# Altium PCB controller_V1.3.1.PcbDoc (part 3 of 7) (continued)
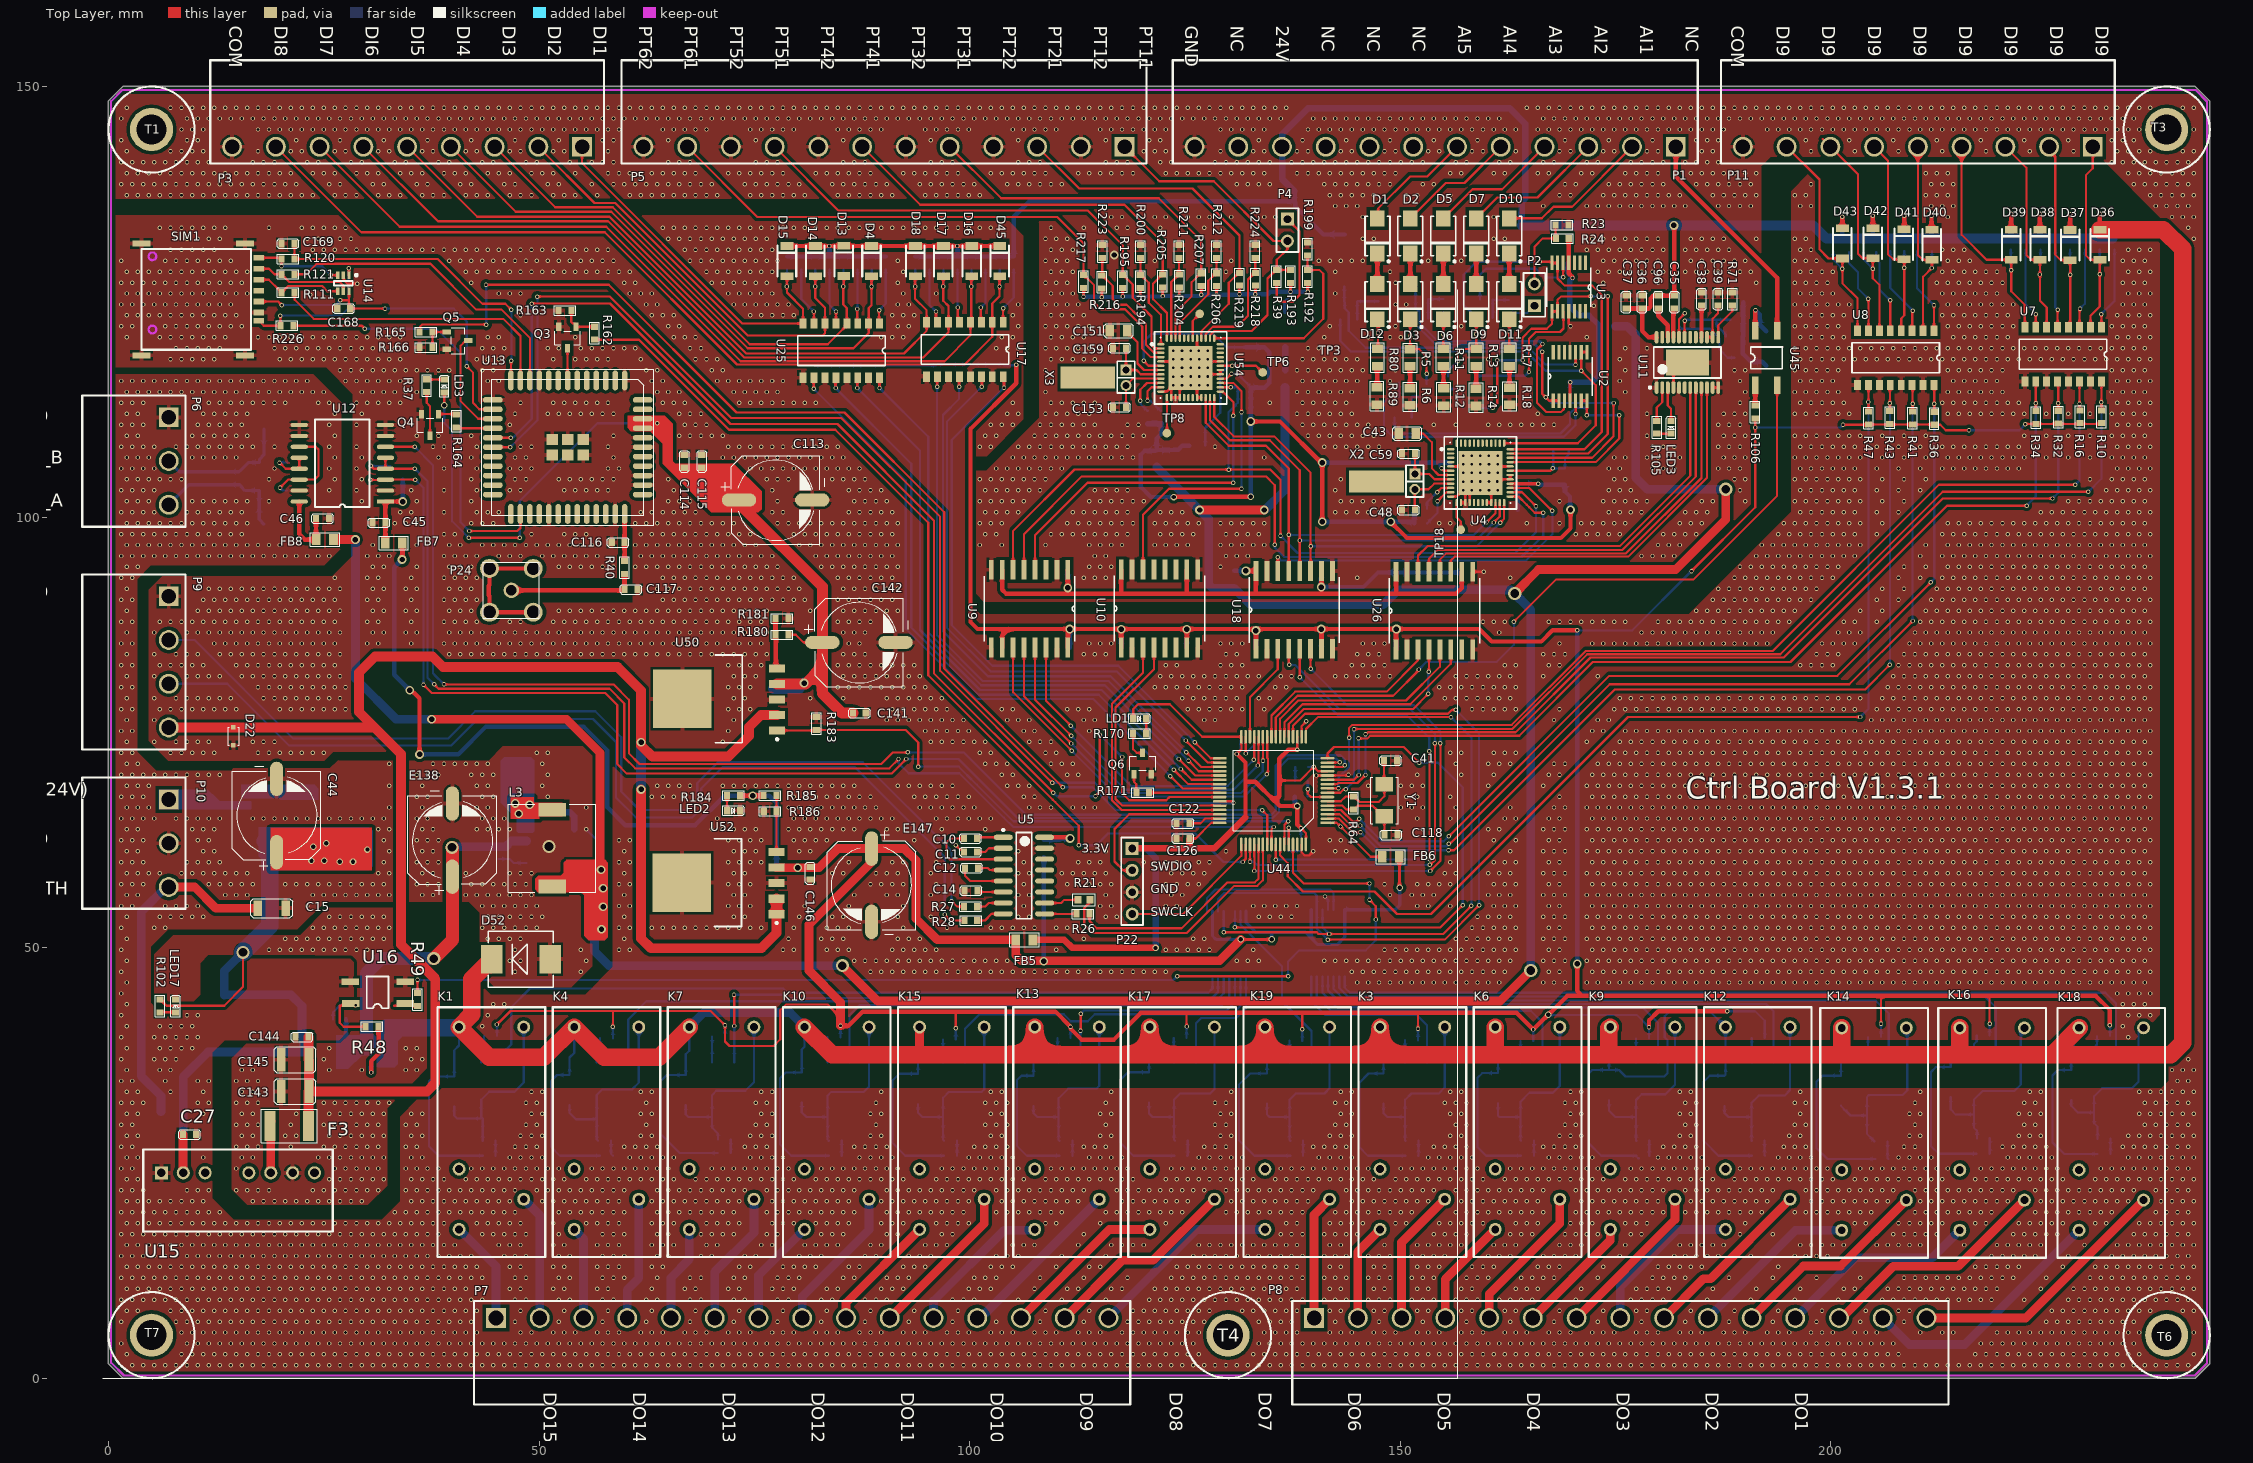
[diagram p0: Top Layer view]
## Nets (pads, with @x,y where several pads share a name; then routed paths per layer and width w, separated by ;. In a path a pad name is that pad's centre, name@x,y a point inside that pad or via, vN(x,y) a via of type N, cw(c..) or ccw(c..) an arc to the next point about the centre after c; other vN are vias at no path point) (continued)
36.417,15.469 37.687,15.469 38.957,15.469 40.227,15.469 45.307,15.469 46.577,15.469 47.847,15.469 51.657,15.469 52.927,15.469 56.737,15.469 58.007,15.469 59.277,15.469 63.087,15.469 64.357,15.469 65.627,15.469 69.437,15.469 70.707,15.469 75.787,15.469 77.057,15.469 80.867,15.469 82.137,15.469 83.407,15.469 84.677,15.469 88.487,15.469 89.757,15.469 94.837,15.469 96.107,15.469 97.377,15.469 104.997,15.469 106.267,15.469 107.537,15.469 112.617,15.469 116.427,15.469 117.697,15.469 118.967,15.469 120.237,15.469 126.587,15.469 127.857,15.469 129.127,15.469 130.397,15.469 131.667,15.469 132.937,15.469 134.207,15.469 135.477,15.469 136.747,15.469 138.017,15.469 141.827,15.469 143.097,15.469 148.177,15.469 151.987,15.469 153.257,15.469 154.527,15.469 155.797,15.469 157.067,15.469 160.877,15.469 162.147,15.469 163.417,15.469 168.497,15.469 169.767,15.469 171.037,15.469 176.117,15.469 182.467,15.469 183.737,15.469 185.007,15.469 186.277,15.469 187.547,15.469 196.437,15.469 197.707,15.469 198.977,15.469 200.247,15.469 201.517,15.469 205.327,15.469 206.597,15.469 207.867,15.469 209.137,15.469 210.407,15.469 215.487,15.469 219.297,15.469 220.567,15.469 221.837,15.469 223.107,15.469 224.377,15.469 229.457,15.469 233.267,15.469 234.537,15.469 235.807,15.469 237.077,15.469 238.347,15.469 239.617,15.469 240.887,15.469 242.157,15.469 1.492,16.739 2.762,16.739 4.032,16.739 5.302,16.739 6.572,16.739 7.842,16.739 9.112,16.739 10.382,16.739 11.652,16.739 12.922,16.739 14.192,16.739 15.462,16.739 16.732,16.739 18.002,16.739 19.272,16.739 20.542,16.739 21.812,16.739 23.082,16.739 24.352,16.739 25.622,16.739 26.892,16.739 28.162,16.739 29.432,16.739 30.702,16.739 31.972,16.739 33.242,16.739 34.512,16.739 35.782,16.739 37.052,16.739 38.322,16.739 43.402,16.739 44.672,16.739 45.942,16.739 47.212,16.739 48.482,16.739 52.292,16.739 57.372,16.739 58.642,16.739 59.912,16.739 63.722,16.739 64.992,16.739 68.802,16.739 70.072,16.739 71.342,16.739 72.612,16.739 76.422,16.739 77.692,16.739 82.772,16.739 84.042,16.739 85.312,16.739 90.392,16.739 91.662,16.739 96.742,16.739 98.012,16.739 113.252,16.739 136.112,16.739 137.382,16.739 138.652,16.739 141.192,16.739 142.462,16.739 143.732,16.739 145.002,16.739 153.892,16.739 155.162,16.739 156.432,16.739 157.702,16.739 162.782,16.739 164.052,16.739 165.322,16.739 169.132,16.739 170.402,16.739 171.672,16.739 172.942,16.739 176.752,16.739 178.022,16.739 189.452,16.739 193.262,16.739 207.232,16.739 208.502,16.739 209.772,16.739 211.042,16.739 212.312,16.739 221.202,16.739 222.472,16.739 223.742,16.739 225.012,16.739 226.282,16.739 235.172,16.739 236.442,16.739 237.712,16.739 238.982,16.739 240.252,16.739 241.522,16.739 2.127,18.009 3.397,18.009 4.667,18.009 5.937,18.009 7.207,18.009 8.477,18.009 9.747,18.009 11.017,18.009 12.287,18.009 13.557,18.009 14.827,18.009 16.097,18.009 17.367,18.009 18.637,18.009 19.907,18.009 21.177,18.009 22.447,18.009 23.717,18.009 24.987,18.009 26.257,18.009 27.527,18.009 28.797,18.009 30.067,18.009 31.337,18.009 32.607,18.009 33.877,18.009 35.147,18.009 36.417,18.009 37.687,18.009 38.957,18.009 42.767,18.009 44.037,18.009 45.307,18.009 46.577,18.009 47.847,18.009 51.657,18.009 55.467,18.009 56.737,18.009 58.007,18.009 59.277,18.009 63.087,18.009 64.357,18.009 65.627,18.009 69.437,18.009 70.707,18.009 71.977,18.009 73.247,18.009 77.057,18.009 78.327,18.009 79.597,18.009 82.137,18.009 83.407,18.009 84.677,18.009 85.947,18.009 89.757,18.009 91.027,18.009 92.297,18.009 96.107,18.009 97.377,18.009 98.647,18.009 99.917,18.009 108.807,18.009 110.077,18.009 115.157,18.009 122.777,18.009 136.747,18.009 138.017,18.009 141.827,18.009 143.097,18.009 144.367,18.009 145.637,18.009 149.447,18.009 150.717,18.009 154.527,18.009 155.797,18.009 157.067,18.009 158.337,18.009 159.607,18.009 163.417,18.009 164.687,18.009 165.957,18.009 169.767,18.009 171.037,18.009 172.307,18.009 176.117,18.009 177.387,18.009 178.657,18.009 190.087,18.009 202.787,18.009 204.057,18.009 207.867,18.009 209.137,18.009 210.407,18.009 211.677,18.009 212.947,18.009 216.757,18.009 218.027,18.009 221.837,18.009 223.107,18.009 224.377,18.009 225.647,18.009 226.917,18.009 230.727,18.009 231.997,18.009 235.807,18.009 237.077,18.009 238.347,18.009 239.617,18.009 240.887,18.009 242.157,18.009 1.492,19.279 2.762,19.279 4.032,19.279 5.302,19.279 6.572,19.279 7.842,19.279 9.112,19.279 10.382,19.279 11.652,19.279 12.922,19.279 33.242,19.279 34.512,19.279 35.782,19.279 37.052,19.279 38.322,19.279 39.592,19.279 40.862,19.279 42.132,19.279 43.402,19.279 44.672,19.279 45.942,19.279 47.212,19.279 52.292,19.279 53.562,19.279 54.832,19.279 56.102,19.279 57.372,19.279 58.642,19.279 59.912,19.279 63.722,19.279 64.992,19.279 66.262,19.279 67.532,19.279 68.802,19.279 70.072,19.279 71.342,19.279 72.612,19.279 76.422,19.279 77.692,19.279 78.962,19.279 80.232,19.279 81.502,19.279 82.772,19.279 84.042,19.279 85.312,19.279 86.582,19.279 90.392,19.279 91.662,19.279 92.932,19.279 94.202,19.279 95.472,19.279 96.742,19.279 98.012,19.279 99.282,19.279 103.092,19.279 104.362,19.279 105.632,19.279 106.902,19.279 108.172,19.279 109.442,19.279 110.712,19.279 115.792,19.279 117.062,19.279 118.332,19.279 119.602,19.279 120.872,19.279 122.142,19.279 123.412,19.279 124.682,19.279 129.762,19.279 131.032,19.279 132.302,19.279 133.572,19.279 134.842,19.279 136.112,19.279 137.382,19.279 138.652,19.279 142.462,19.279 143.732,19.279 145.002,19.279 146.272,19.279 147.542,19.279 148.812,19.279 150.082,19.279 151.352,19.279 156.432,19.279 157.702,19.279 158.972,19.279 160.242,19.279 161.512,19.279 162.782,19.279 164.052,19.279 165.322,19.279 166.592,19.279 170.402,19.279 171.672,19.279 172.942,19.279 174.212,19.279 175.482,19.279 176.752,19.279 178.022,19.279 179.292,19.279 180.562,19.279 183.102,19.279 184.372,19.279 185.642,19.279 186.912,19.279 188.182,19.279 189.452,19.279 190.722,19.279 191.992,19.279 195.802,19.279 197.072,19.279 198.342,19.279 199.612,19.279 200.882,19.279 202.152,19.279 203.422,19.279 204.692,19.279 209.772,19.279 211.042,19.279 212.312,19.279 213.582,19.279 214.852,19.279 216.122,19.279 217.392,19.279 218.662,19.279 223.742,19.279 225.012,19.279 226.282,19.279 227.552,19.279 228.822,19.279 230.092,19.279 231.362,19.279 232.632,19.279 237.712,19.279 238.982,19.279 240.252,19.279 241.522,19.279 2.127,20.549 3.397,20.549 4.667,20.549 5.937,20.549 7.207,20.549 8.477,20.549 9.747,20.549 11.017,20.549 35.147,20.549 36.417,20.549 37.687,20.549 38.957,20.549 40.227,20.549 41.497,20.549 42.767,20.549 44.037,20.549 45.307,20.549 46.577,20.549 50.387,20.549 51.657,20.549 52.927,20.549 54.197,20.549 55.467,20.549 56.737,20.549 58.007,20.549 59.277,20.549 63.087,20.549 64.357,20.549 65.627,20.549 66.897,20.549 68.167,20.549 69.437,20.549 70.707,20.549 71.977,20.549 73.247,20.549 77.057,20.549 78.327,20.549 79.597,20.549 80.867,20.549 82.137,20.549 83.407,20.549 84.677,20.549 85.947,20.549 89.757,20.549 91.027,20.549 92.297,20.549 93.567,20.549 94.837,20.549 96.107,20.549 97.377,20.549 98.647,20.549 99.917,20.549 103.727,20.549 104.997,20.549 106.267,20.549 107.537,20.549 108.807,20.549 110.077,20.549 111.347,20.549 112.617,20.549 117.697,20.549 118.967,20.549 120.237,20.549 121.507,20.549 122.777,20.549 124.047,20.549 125.317,20.549 130.397,20.549 131.667,20.549 132.937,20.549 134.207,20.549 135.477,20.549 136.747,20.549 138.017,20.549 139.287,20.549 144.367,20.549 145.637,20.549 146.907,20.549 148.177,20.549 149.447,20.549 150.717,20.549 151.987,20.549 153.257,20.549 157.067,20.549 158.337,20.549 159.607,20.549 160.877,20.549 162.147,20.549 163.417,20.549 164.687,20.549 165.957,20.549 171.037,20.549 172.307,20.549 173.577,20.549 174.847,20.549 176.117,20.549 177.387,20.549 178.657,20.549 179.927,20.549 183.737,20.549 185.007,20.549 186.277,20.549 187.547,20.549 188.817,20.549 190.087,20.549 191.357,20.549 192.627,20.549 197.707,20.549 198.977,20.549 200.247,20.549 201.517,20.549 202.787,20.549 204.057,20.549 205.327,20.549 206.597,20.549 210.407,20.549 211.677,20.549 212.947,20.549 214.217,20.549 215.487,20.549 216.757,20.549 218.027,20.549 219.297,20.549 220.567,20.549 224.377,20.549 225.647,20.549 226.917,20.549 228.187,20.549 229.457,20.549 230.727,20.549 231.997,20.549 233.267,20.549 234.537,20.549 238.347,20.549 239.617,20.549 240.887,20.549 242.157,20.549 1.492,21.819 2.762,21.819 4.032,21.819 9.112,21.819 10.382,21.819 11.652,21.819 34.512,21.819 35.782,21.819 37.052,21.819 38.322,21.819 39.592,21.819 40.862,21.819 42.132,21.819 43.402,21.819 44.672,21.819 45.942,21.819 47.212,21.819 49.752,21.819 51.022,21.819 52.292,21.819 53.562,21.819 54.832,21.819 56.102,21.819 57.372,21.819 58.642,21.819 59.912,21.819 63.722,21.819 64.992,21.819 66.262,21.819 67.532,21.819 68.802,21.819 70.072,21.819 71.342,21.819 72.612,21.819 73.882,21.819 76.422,21.819 77.692,21.819 78.962,21.819 80.232,21.819 81.502,21.819 82.772,21.819 84.042,21.819 85.312,21.819 86.582,21.819 90.392,21.819 91.662,21.819 92.932,21.819 94.202,21.819 95.472,21.819 96.742,21.819 98.012,21.819 99.282,21.819 100.552,21.819 103.092,21.819 104.362,21.819 105.632,21.819 106.902,21.819 108.172,21.819 109.442,21.819 110.712,21.819 111.982,21.819 113.252,21.819 117.062,21.819 118.332,21.819 119.602,21.819 120.872,21.819 122.142,21.819 123.412,21.819 124.682,21.819 125.952,21.819 127.222,21.819 129.762,21.819 131.032,21.819 132.302,21.819 133.572,21.819 134.842,21.819 136.112,21.819 137.382,21.819 138.652,21.819 139.922,21.819 143.732,21.819 145.002,21.819 146.272,21.819 147.542,21.819 148.812,21.819 150.082,21.819 151.352,21.819 152.622,21.819 153.892,21.819 156.432,21.819 157.702,21.819 158.972,21.819 160.242,21.819 161.512,21.819 162.782,21.819 164.052,21.819 165.322,21.819 166.592,21.819 170.402,21.819 171.672,21.819 172.942,21.819 174.212,21.819 175.482,21.819 176.752,21.819 178.022,21.819 179.292,21.819 180.562,21.819 183.102,21.819 184.372,21.819 185.642,21.819 186.912,21.819 188.182,21.819 189.452,21.819 190.722,21.819 191.992,21.819 193.262,21.819 197.072,21.819 198.342,21.819 199.612,21.819 200.882,21.819 202.152,21.819 203.422,21.819 204.692,21.819 205.962,21.819 207.232,21.819 209.772,21.819 211.042,21.819 212.312,21.819 213.582,21.819 214.852,21.819 216.122,21.819 217.392,21.819 218.662,21.819 219.932,21.819 221.202,21.819 223.742,21.819 225.012,21.819 226.282,21.819 227.552,21.819 228.822,21.819 230.092,21.819 231.362,21.819 232.632,21.819 233.902,21.819 235.172,21.819 237.712,21.819 238.982,21.819 240.252,21.819 241.522,21.819 2.127,23.089 3.397,23.089 35.147,23.089 36.417,23.089 37.687,23.089 38.957,23.089 41.497,23.089 42.767,23.089 44.037,23.089 45.307,23.089 46.577,23.089 47.847,23.089 49.117,23.089 50.387,23.089 51.657,23.089 52.927,23.089 55.467,23.089 56.737,23.089 58.007,23.089 59.277,23.089 60.547,23.089 61.817,23.089 63.087,23.089 64.357,23.089 65.627,23.089 68.167,23.089 69.437,23.089 70.707,23.089 71.977,23.089 73.247,23.089 74.517,23.089 75.787,23.089 77.057,23.089 78.327,23.089 79.597,23.089 82.137,23.089 83.407,23.089 84.677,23.089 85.947,23.089 87.217,23.089 88.487,23.089 89.757,23.089 91.027,23.089 92.297,23.089 96.107,23.089 97.377,23.089 98.647,23.089 99.917,23.089 101.187,23.089 102.457,23.089 103.727,23.089 104.997,23.089 106.267,23.089 108.807,23.089 110.077,23.089 111.347,23.089 112.617,23.089 113.887,23.089 115.157,23.089 116.427,23.089 117.697,23.089 118.967,23.089 122.777,23.089 124.047,23.089 125.317,23.089 126.587,23.089 127.857,23.089 129.127,23.089 130.397,23.089 131.667,23.089 132.937,23.089 135.477,23.089 136.747,23.089 138.017,23.089 139.287,23.089 140.557,23.089 141.827,23.089 143.097,23.089 144.367,23.089 145.637,23.089 146.907,23.089 149.447,23.089 150.717,23.089 151.987,23.089 153.257,23.089 154.527,23.089 155.797,23.089 157.067,23.089 158.337,23.089 159.607,23.089 162.147,23.089 163.417,23.089 164.687,23.089 165.957,23.089 167.227,23.089 168.497,23.089 169.767,23.089 171.037,23.089 172.307,23.089 173.577,23.089 176.117,23.089 177.387,23.089 178.657,23.089 179.927,23.089 181.197,23.089 182.467,23.089 183.737,23.089 185.007,23.089 186.277,23.089 188.817,23.089 190.087,23.089 191.357,23.089 192.627,23.089 193.897,23.089 195.167,23.089 196.437,23.089 197.707,23.089 198.977,23.089 200.247,23.089 202.787,23.089 204.057,23.089 205.327,23.089 206.597,23.089 207.867,23.089 209.137,23.089 210.407,23.089 211.677,23.089 212.947,23.089 216.757,23.089 218.027,23.089 219.297,23.089 220.567,23.089 221.837,23.089 223.107,23.089 224.377,23.089 225.647,23.089 226.917,23.089 230.727,23.089 231.997,23.089 233.267,23.089 234.537,23.089 235.807,23.089 237.077,23.089 238.347,23.089 239.617,23.089 240.887,23.089 242.157,23.089 1.492,24.359 2.762,24.359 34.512,24.359 35.782,24.359 37.052,24.359 38.322,24.359 42.132,24.359 43.402,24.359 44.672,24.359 45.942,24.359 47.212,24.359 48.482,24.359 49.752,24.359 51.022,24.359 52.292,24.359 56.102,24.359 57.372,24.359 58.642,24.359 59.912,24.359 61.182,24.359 62.452,24.359 63.722,24.359 64.992,24.359 70.072,24.359 71.342,24.359 72.612,24.359 73.882,24.359 75.152,24.359 76.422,24.359 77.692,24.359 78.962,24.359 82.772,24.359 84.042,24.359 85.312,24.359 86.582,24.359 87.852,24.359 89.122,24.359 90.392,24.359 91.662,24.359 96.742,24.359 98.012,24.359 99.282,24.359 100.552,24.359 101.822,24.359 103.092,24.359 104.362,24.359 105.632,24.359 109.442,24.359 110.712,24.359 111.982,24.359 113.252,24.359 114.522,24.359 115.792,24.359 117.062,24.359 118.332,24.359 123.412,24.359 124.682,24.359 125.952,24.359 127.222,24.359 128.492,24.359 129.762,24.359 131.032,24.359 132.302,24.359 136.112,24.359 137.382,24.359 138.652,24.359 139.922,24.359 141.192,24.359 142.462,24.359 143.732,24.359 145.002,24.359 146.272,24.359 150.082,24.359 151.352,24.359 152.622,24.359 153.892,24.359 155.162,24.359 156.432,24.359 157.702,24.359 158.972,24.359 162.782,24.359 164.052,24.359 165.322,24.359 166.592,24.359 167.862,24.359 169.132,24.359 170.402,24.359 171.672,24.359 172.942,24.359 176.752,24.359 178.022,24.359 179.292,24.359 180.562,24.359 181.832,24.359 183.102,24.359 184.372,24.359 185.642,24.359 189.452,24.359 190.722,24.359 191.992,24.359 193.262,24.359 194.532,24.359 195.802,24.359 197.072,24.359 198.342,24.359 199.612,24.359 203.422,24.359 204.692,24.359 205.962,24.359 207.232,24.359 208.502,24.359 209.772,24.359 211.042,24.359 212.312,24.359 213.582,24.359 217.392,24.359 218.662,24.359 219.932,24.359 221.202,24.359 222.472,24.359 223.742,24.359 225.012,24.359 226.282,24.359 231.362,24.359 232.632,24.359 233.902,24.359 235.172,24.359 236.442,24.359 237.712,24.359 238.982,24.359 240.252,24.359 241.522,24.359 2.127,25.629 3.397,25.629 11.017,25.629 35.147,25.629 36.417,25.629 46.577,25.629 47.847,25.629 49.117,25.629 50.387,25.629 60.547,25.629 61.817,25.629 63.087,25.629 64.357,25.629 65.627,25.629 74.517,25.629 75.787,25.629 77.057,25.629 78.327,25.629 87.217,25.629 88.487,25.629 89.757,25.629 91.027,25.629 99.917,25.629 101.187,25.629 102.457,25.629 103.727,25.629 104.997,25.629 113.887,25.629 115.157,25.629 116.427,25.629 117.697,25.629 126.587,25.629 127.857,25.629 129.127,25.629 130.397,25.629 131.667,25.629 140.557,25.629 141.827,25.629 143.097,25.629 144.367,25.629 153.257,25.629 154.527,25.629 155.797,25.629 157.067,25.629 158.337,25.629 167.227,25.629 168.497,25.629 169.767,25.629 171.037,25.629 172.307,25.629 179.927,25.629 181.197,25.629 182.467,25.629 183.737,25.629 185.007,25.629 193.897,25.629 195.167,25.629 196.437,25.629 197.707,25.629 207.867,25.629 209.137,25.629 210.407,25.629 211.677,25.629 220.567,25.629 221.837,25.629 223.107,25.629 224.377,25.629 225.647,25.629 234.537,25.629 235.807,25.629 237.077,25.629 238.347,25.629 239.617,25.629 240.887,25.629 242.157,25.629 1.492,26.899 2.762,26.899 34.512,26.899 35.782,26.899 47.212,26.899 48.482,26.899 49.752,26.899 59.912,26.899 61.182,26.899 62.452,26.899 63.722,26.899 73.882,26.899 75.152,26.899 76.422,26.899 86.582,26.899 87.852,26.899 89.122,26.899 90.392,26.899 100.552,26.899 101.822,26.899 103.092,26.899 104.362,26.899 113.252,26.899 114.522,26.899 115.792,26.899 127.222,26.899 128.492,26.899 129.762,26.899 139.922,26.899 141.192,26.899 142.462,26.899 143.732,26.899 153.892,26.899 155.162,26.899 156.432,26.899 157.702,26.899 166.592,26.899 167.862,26.899 169.132,26.899 170.402,26.899 180.562,26.899 181.832,26.899 183.102,26.899 184.372,26.899 194.532,26.899 195.802,26.899 197.072,26.899 208.502,26.899 209.772,26.899 219.932,26.899 221.202,26.899 222.472,26.899 223.742,26.899 225.012,26.899 233.902,26.899 235.172,26.899 236.442,26.899 237.712,26.899 238.982,26.899 240.252,26.899 241.522,26.899 2.127,28.169 3.397,28.169 35.147,28.169 36.417,28.169 47.847,28.169 49.117,28.169 50.387,28.169 61.817,28.169 63.087,28.169 74.517,28.169 75.787,28.169 77.057,28.169 88.487,28.169 89.757,28.169 102.457,28.169 103.727,28.169 115.157,28.169 116.427,28.169 129.127,28.169 130.397,28.169 141.827,28.169 143.097,28.169 144.367,28.169 155.797,28.169 157.067,28.169 168.497,28.169 169.767,28.169 171.037,28.169 182.467,28.169 183.737,28.169 195.167,28.169 196.437,28.169 209.137,28.169 210.407,28.169 221.837,28.169 223.107,28.169 224.377,28.169 234.537,28.169 235.807,28.169 237.077,28.169 238.347,28.169 239.617,28.169 240.887,28.169 242.157,28.169 1.492,29.439 2.762,29.439 34.512,29.439 35.782,29.439 48.482,29.439 49.752,29.439 62.452,29.439 75.152,29.439 76.422,29.439 89.122,29.439 101.822,29.439 103.092,29.439 104.362,29.439 115.792,29.439 128.492,29.439 129.762,29.439 142.462,29.439 143.732,29.439 156.432,29.439 157.702,29.439 169.132,29.439 170.402,29.439 183.102,29.439 184.372,29.439 195.802,29.439 197.072,29.439 209.772,29.439 222.472,29.439 223.742,29.439 236.442,29.439 237.712,29.439 238.982,29.439 240.252,29.439 241.522,29.439 2.127,30.709 3.397,30.709 11.017,30.709 35.147,30.709 36.417,30.709 49.117,30.709 50.387,30.709 61.817,30.709 63.087,30.709 75.787,30.709 77.057,30.709 88.487,30.709 89.757,30.709 102.457,30.709 103.727,30.709 115.157,30.709 116.427,30.709 129.127,30.709 130.397,30.709 143.097,30.709 144.367,30.709 155.797,30.709 157.067,30.709 169.767,30.709 171.037,30.709 182.467,30.709 183.737,30.709 196.437,30.709 209.137,30.709 210.407,30.709 221.837,30.709 223.107,30.709 224.377,30.709 235.807,30.709 237.077,30.709 238.347,30.709 239.617,30.709 240.887,30.709 242.157,30.709 1.492,31.979 2.762,31.979 4.032,31.979 10.382,31.979 11.652,31.979 48.482,31.979 49.752,31.979 62.452,31.979 75.152,31.979 76.422,31.979 89.122,31.979 101.822,31.979 103.092,31.979 104.362,31.979 115.792,31.979 128.492,31.979 129.762,31.979 142.462,31.979 143.732,31.979 155.162,31.979 156.432,31.979 157.702,31.979 169.132,31.979 170.402,31.979 183.102,31.979 184.372,31.979 195.802,31.979 197.072,31.979 209.772,31.979 222.472,31.979 223.742,31.979 236.442,31.979 237.712,31.979 238.982,31.979 240.252,31.979 241.522,31.979 2.127,33.249 3.397,33.249 7.207,33.249 11.017,33.249 49.117,33.249 50.387,33.249 61.817,33.249 63.087,33.249 75.787,33.249 77.057,33.249 89.757,33.249 102.457,33.249 103.727,33.249 116.427,33.249 130.397,33.249 143.097,33.249 144.367,33.249 155.797,33.249 157.067,33.249 169.767,33.249 171.037,33.249 182.467,33.249 183.737,33.249 196.437,33.249 210.407,33.249 223.107,33.249 224.377,33.249 235.807,33.249 237.077,33.249 238.347,33.249 239.617,33.249 240.887,33.249 242.157,33.249 1.492,34.519 2.762,34.519 6.572,34.519 10.382,34.519 11.652,34.519 240.252,34.519 241.522,34.519 2.127,35.789 5.937,35.789 7.207,35.789 239.617,35.789 240.887,35.789 242.157,35.789 1.492,37.059 5.302,37.059 6.572,37.059 7.842,37.059 241.522,37.059 2.127,38.329 5.937,38.329 7.207,38.329 8.477,38.329 9.747,38.329 1.492,39.599 5.302,39.599 6.572,39.599 7.842,39.599 9.112,39.599 10.382,39.599 2.127,40.869 5.937,40.869 7.207,40.869 8.477,40.869 9.747,40.869 1.492,42.139 9.112,42.139 10.382,42.139 2.127,43.409 1.492,44.679 2.127,45.949 1.492,47.219 47.212,47.219 54.832,47.219 2.127,48.489 46.577,48.489 47.847,48.489 55.467,48.489 1.492,49.759 47.212,49.759 54.832,49.759 2.127,51.029 44.037,51.029 45.307,51.029 46.577,51.029 47.847,51.029 1.492,52.299 5.302,52.299 6.572,52.299 43.402,52.299 44.672,52.299 45.942,52.299 47.212,52.299 48.482,52.299 49.752,52.299 2.127,53.569 5.937,53.569 7.207,53.569 8.477,53.569 9.747,53.569 11.017,53.569 44.037,53.569 45.307,53.569 46.577,53.569 47.847,53.569 49.117,53.569 50.387,53.569 1.492,54.839 2.762,54.839 6.572,54.839 7.842,54.839 9.112,54.839 10.382,54.839 23.082,54.839 43.402,54.839 44.672,54.839 45.942,54.839 47.212,54.839 48.482,54.839 49.752,54.839 2.127,56.109 3.397,56.109 13.557,56.109 14.827,56.109 16.097,56.109 23.717,56.109 24.987,56.109 26.257,56.109 27.527,56.109 28.797,56.109 30.067,56.109 31.337,56.109 32.607,56.109 36.417,56.109 37.687,56.109 41.497,56.109 42.767,56.109 44.037,56.109 45.307,56.109 46.577,56.109 47.847,56.109 49.117,56.109 1.492,57.379 2.762,57.379 4.032,57.379 11.652,57.379 12.922,57.379 14.192,57.379 15.462,57.379 16.732,57.379 20.542,57.379 21.812,57.379 23.082,57.379 24.352,57.379 25.622,57.379 26.892,57.379 28.162,57.379 29.432,57.379 30.702,57.379 31.972,57.379 35.782,57.379 37.052,57.379 38.322,57.379 42.132,57.379 43.402,57.379 44.672,57.379 45.942,57.379 47.212,57.379 48.482,57.379 2.127,58.649 3.397,58.649 4.667,58.649 5.937,58.649 8.477,58.649 9.747,58.649 11.017,58.649 12.287,58.649 13.557,58.649 14.827,58.649 16.097,58.649 31.337,58.649 32.607,58.649 36.417,58.649 37.687,58.649 41.497,58.649 46.577,58.649 47.847,58.649 49.117,58.649 1.492,59.919 2.762,59.919 4.032,59.919 9.112,59.919 10.382,59.919 11.652,59.919 12.922,59.919 31.972,59.919 35.782,59.919 37.052,59.919 38.322,59.919 2.127,61.189 3.397,61.189 11.017,61.189 12.287,61.189 32.607,61.189 36.417,61.189 37.687,61.189 1.492,62.459 2.762,62.459 4.032,62.459 10.382,62.459 11.652,62.459 31.972,62.459 35.782,62.459 37.052,62.459 38.322,62.459 2.127,63.729 3.397,63.729 9.747,63.729 11.017,63.729 12.287,63.729 31.337,63.729 32.607,63.729 36.417,63.729 37.687,63.729 42.767,63.729 44.037,63.729 45.307,63.729 46.577,63.729 55.467,63.729 1.492,64.999 2.762,64.999 4.032,64.999 5.302,64.999 7.842,64.999 9.112,64.999 10.382,64.999 11.652,64.999 12.922,64.999 16.732,64.999 18.002,64.999 19.272,64.999 20.542,64.999 21.812,64.999 23.082,64.999 24.352,64.999 25.622,64.999 26.892,64.999 28.162,64.999 29.432,64.999 30.702,64.999 31.972,64.999 35.782,64.999 37.052,64.999 43.402,64.999 44.672,64.999 45.942,64.999 2.127,66.269 3.397,66.269 4.667,66.269 32.607,66.269 36.417,66.269 42.767,66.269 44.037,66.269 55.467,66.269 1.492,67.539 2.762,67.539 4.032,67.539 35.782,67.539 37.052,67.539 43.402,67.539 44.672,67.539 51.022,67.539 2.127,68.809 3.397,68.809 4.667,68.809 32.607,68.809 36.417,68.809 42.767,68.809 44.037,68.809 50.387,68.809 1.492,70.079 2.762,70.079 4.032,70.079 5.302,70.079 6.572,70.079 7.842,70.079 9.112,70.079 10.382,70.079 11.652,70.079 12.922,70.079 35.782,70.079 37.052,70.079 38.322,70.079 42.132,70.079 43.402,70.079 44.672,70.079 51.022,70.079 2.127,71.349 3.397,71.349 32.607,71.349 37.687,71.349 38.957,71.349 40.227,71.349 41.497,71.349 42.767,71.349 44.037,71.349 50.387,71.349 1.492,72.619 2.762,72.619 49.752,72.619 51.022,72.619 2.127,73.889 1.492,75.159 2.762,75.159 2.127,76.429 1.492,77.699 2.762,77.699 2.127,78.969 1.492,80.239 2.762,80.239 2.127,81.509 1.492,82.779 2.762,82.779 2.127,84.049 1.492,85.319 2.762,85.319 2.127,86.589 1.492,87.859 2.762,87.859 2.127,89.129 1.492,90.399 2.762,90.399 2.127,91.669 1.492,92.939 2.762,92.939 113.252,92.939 114.522,92.939 115.792,92.939 145.002,92.939 162.782,92.939 2.127,94.209 3.397,94.209 113.887,94.209 115.157,94.209 116.427,94.209 129.127,94.209 1.492,95.479 2.762,95.479 4.032,95.479 5.302,95.479 6.572,95.479 7.842,95.479 9.112,95.479 10.382,95.479 11.652,95.479 12.922,95.479 14.192,95.479 15.462,95.479 16.732,95.479 18.002,95.479 19.272,95.479 20.542,95.479 21.812,95.479 23.082,95.479 24.352,95.479 25.622,95.479 114.522,95.479 115.792,95.479 129.762,95.479 131.032,95.479 132.302,95.479 178.022,95.479 179.292,95.479 180.562,95.479 181.832,95.479 2.127,96.749 3.397,96.749 4.667,96.749 5.937,96.749 7.207,96.749 8.477,96.749 9.747,96.749 11.017,96.749 12.287,96.749 13.557,96.749 14.827,96.749 16.097,96.749 17.367,96.749 18.637,96.749 19.907,96.749 101.187,96.749 103.727,96.749 108.807,96.749 113.887,96.749 115.157,96.749 116.427,96.749 117.697,96.749 121.507,96.749 122.777,96.749 124.047,96.749 125.317,96.749 129.127,96.749 130.397,96.749 131.667,96.749 132.937,96.749 134.207,96.749 179.927,96.749 181.197,96.749 182.467,96.749 1.492,98.019 2.762,98.019 4.032,98.019 5.302,98.019 6.572,98.019 7.842,98.019 9.112,98.019 10.382,98.019 11.652,98.019 12.922,98.019 14.192,98.019 15.462,98.019 101.822,98.019 103.092,98.019 109.442,98.019 110.712,98.019 111.982,98.019 113.252,98.019 114.522,98.019 115.792,98.019 117.062,98.019 118.332,98.019 122.142,98.019 123.412,98.019 124.682,98.019 125.952,98.019 129.762,98.019 131.032,98.019 132.302,98.019 133.572,98.019 170.402,98.019 171.672,98.019 172.942,98.019 174.212,98.019 175.482,98.019 180.562,98.019 181.832,98.019 183.102,98.019 184.372,98.019 2.127,99.289 3.397,99.289 4.667,99.289 5.937,99.289 7.207,99.289 8.477,99.289 9.747,99.289 11.017,99.289 12.287,99.289 13.557,99.289 14.827,99.289 16.097,99.289 101.187,99.289 102.457,99.289 103.727,99.289 111.347,99.289 112.617,99.289 113.887,99.289 115.157,99.289 116.427,99.289 117.697,99.289 118.967,99.289 121.507,99.289 122.777,99.289 124.047,99.289 125.317,99.289 126.587,99.289 129.127,99.289 130.397,99.289 131.667,99.289 132.937,99.289 134.207,99.289 154.527,99.289 155.797,99.289 158.337,99.289 164.687,99.289 168.497,99.289 171.037,99.289 172.307,99.289 173.577,99.289 174.847,99.289 176.117,99.289 182.467,99.289 183.737,99.289 185.007,99.289 1.492,100.559 2.762,100.559 4.032,100.559 5.302,100.559 9.112,100.559 10.382,100.559 11.652,100.559 12.922,100.559 14.192,100.559 15.462,100.559 101.822,100.559 103.092,100.559 104.362,100.559 105.632,100.559 111.982,100.559 113.252,100.559 114.522,100.559 115.792,100.559 117.062,100.559 118.332,100.559 122.142,100.559 123.412,100.559 124.682,100.559 142.462,100.559 143.732,100.559 145.002,100.559 146.272,100.559 147.542,100.559 174.212,100.559 175.482,100.559 176.752,100.559 178.022,100.559 183.102,100.559 184.372,100.559 185.642,100.559 2.127,101.829 3.397,101.829 4.667,101.829 9.747,101.829 11.017,101.829 12.287,101.829 13.557,101.829 14.827,101.829 16.097,101.829 18.637,101.829 101.187,101.829 102.457,101.829 103.727,101.829 104.997,101.829 106.267,101.829 113.887,101.829 115.157,101.829 116.427,101.829 117.697,101.829 118.967,101.829 120.237,101.829 143.097,101.829 144.367,101.829 145.637,101.829 146.907,101.829 148.177,101.829 168.497,101.829 173.577,101.829 174.847,101.829 176.117,101.829 177.387,101.829 178.657,101.829 185.007,101.829 186.277,101.829 190.087,101.829 1.492,103.099 2.762,103.099 4.032,103.099 5.302,103.099 25.622,103.099 101.822,103.099 103.092,103.099 104.362,103.099 105.632,103.099 106.902,103.099 108.172,103.099 114.522,103.099 115.792,103.099 117.062,103.099 118.332,103.099 142.462,103.099 174.212,103.099 175.482,103.099 176.752,103.099 189.452,103.099 2.127,104.369 3.397,104.369 4.667,104.369 5.937,104.369 7.207,104.369 8.477,104.369 18.637,104.369 26.257,104.369 101.187,104.369 102.457,104.369 103.727,104.369 104.997,104.369 106.267,104.369 107.537,104.369 108.807,104.369 143.097,104.369 174.847,104.369 176.117,104.369 188.817,104.369 190.087,104.369 1.492,105.639 2.762,105.639 4.032,105.639 5.302,105.639 19.272,105.639 25.622,105.639 103.092,105.639 104.362,105.639 105.632,105.639 106.902,105.639 108.172,105.639 109.442,105.639 110.712,105.639 174.212,105.639 175.482,105.639 179.292,105.639 180.562,105.639 181.832,105.639 186.912,105.639 188.182,105.639 189.452,105.639 2.127,106.909 3.397,106.909 4.667,106.909 9.747,106.909 11.017,106.909 12.287,106.909 13.557,106.909 14.827,106.909 26.257,106.909 104.997,106.909 106.267,106.909 107.537,106.909 108.807,106.909 110.077,106.909 111.347,106.909 112.617,106.909 113.887,106.909 115.157,106.909